# Altium PCB LimeSDR_Mini_1v0_Rounded.PcbDoc (part 3 of 5)
Units mm, origin at the board's own origin, x right, y up, seen from the top; angles counter-clockwise.
Board outline 69 x 52 mm, 8 copper layers (Top, L2, L3, L4, L5, L6, L7, Bottom), stack 1.555 mm thick; 371 components, 281 nets, 1636 pads, 782 vias.
Unrouted connection lines stored in the file: 12.
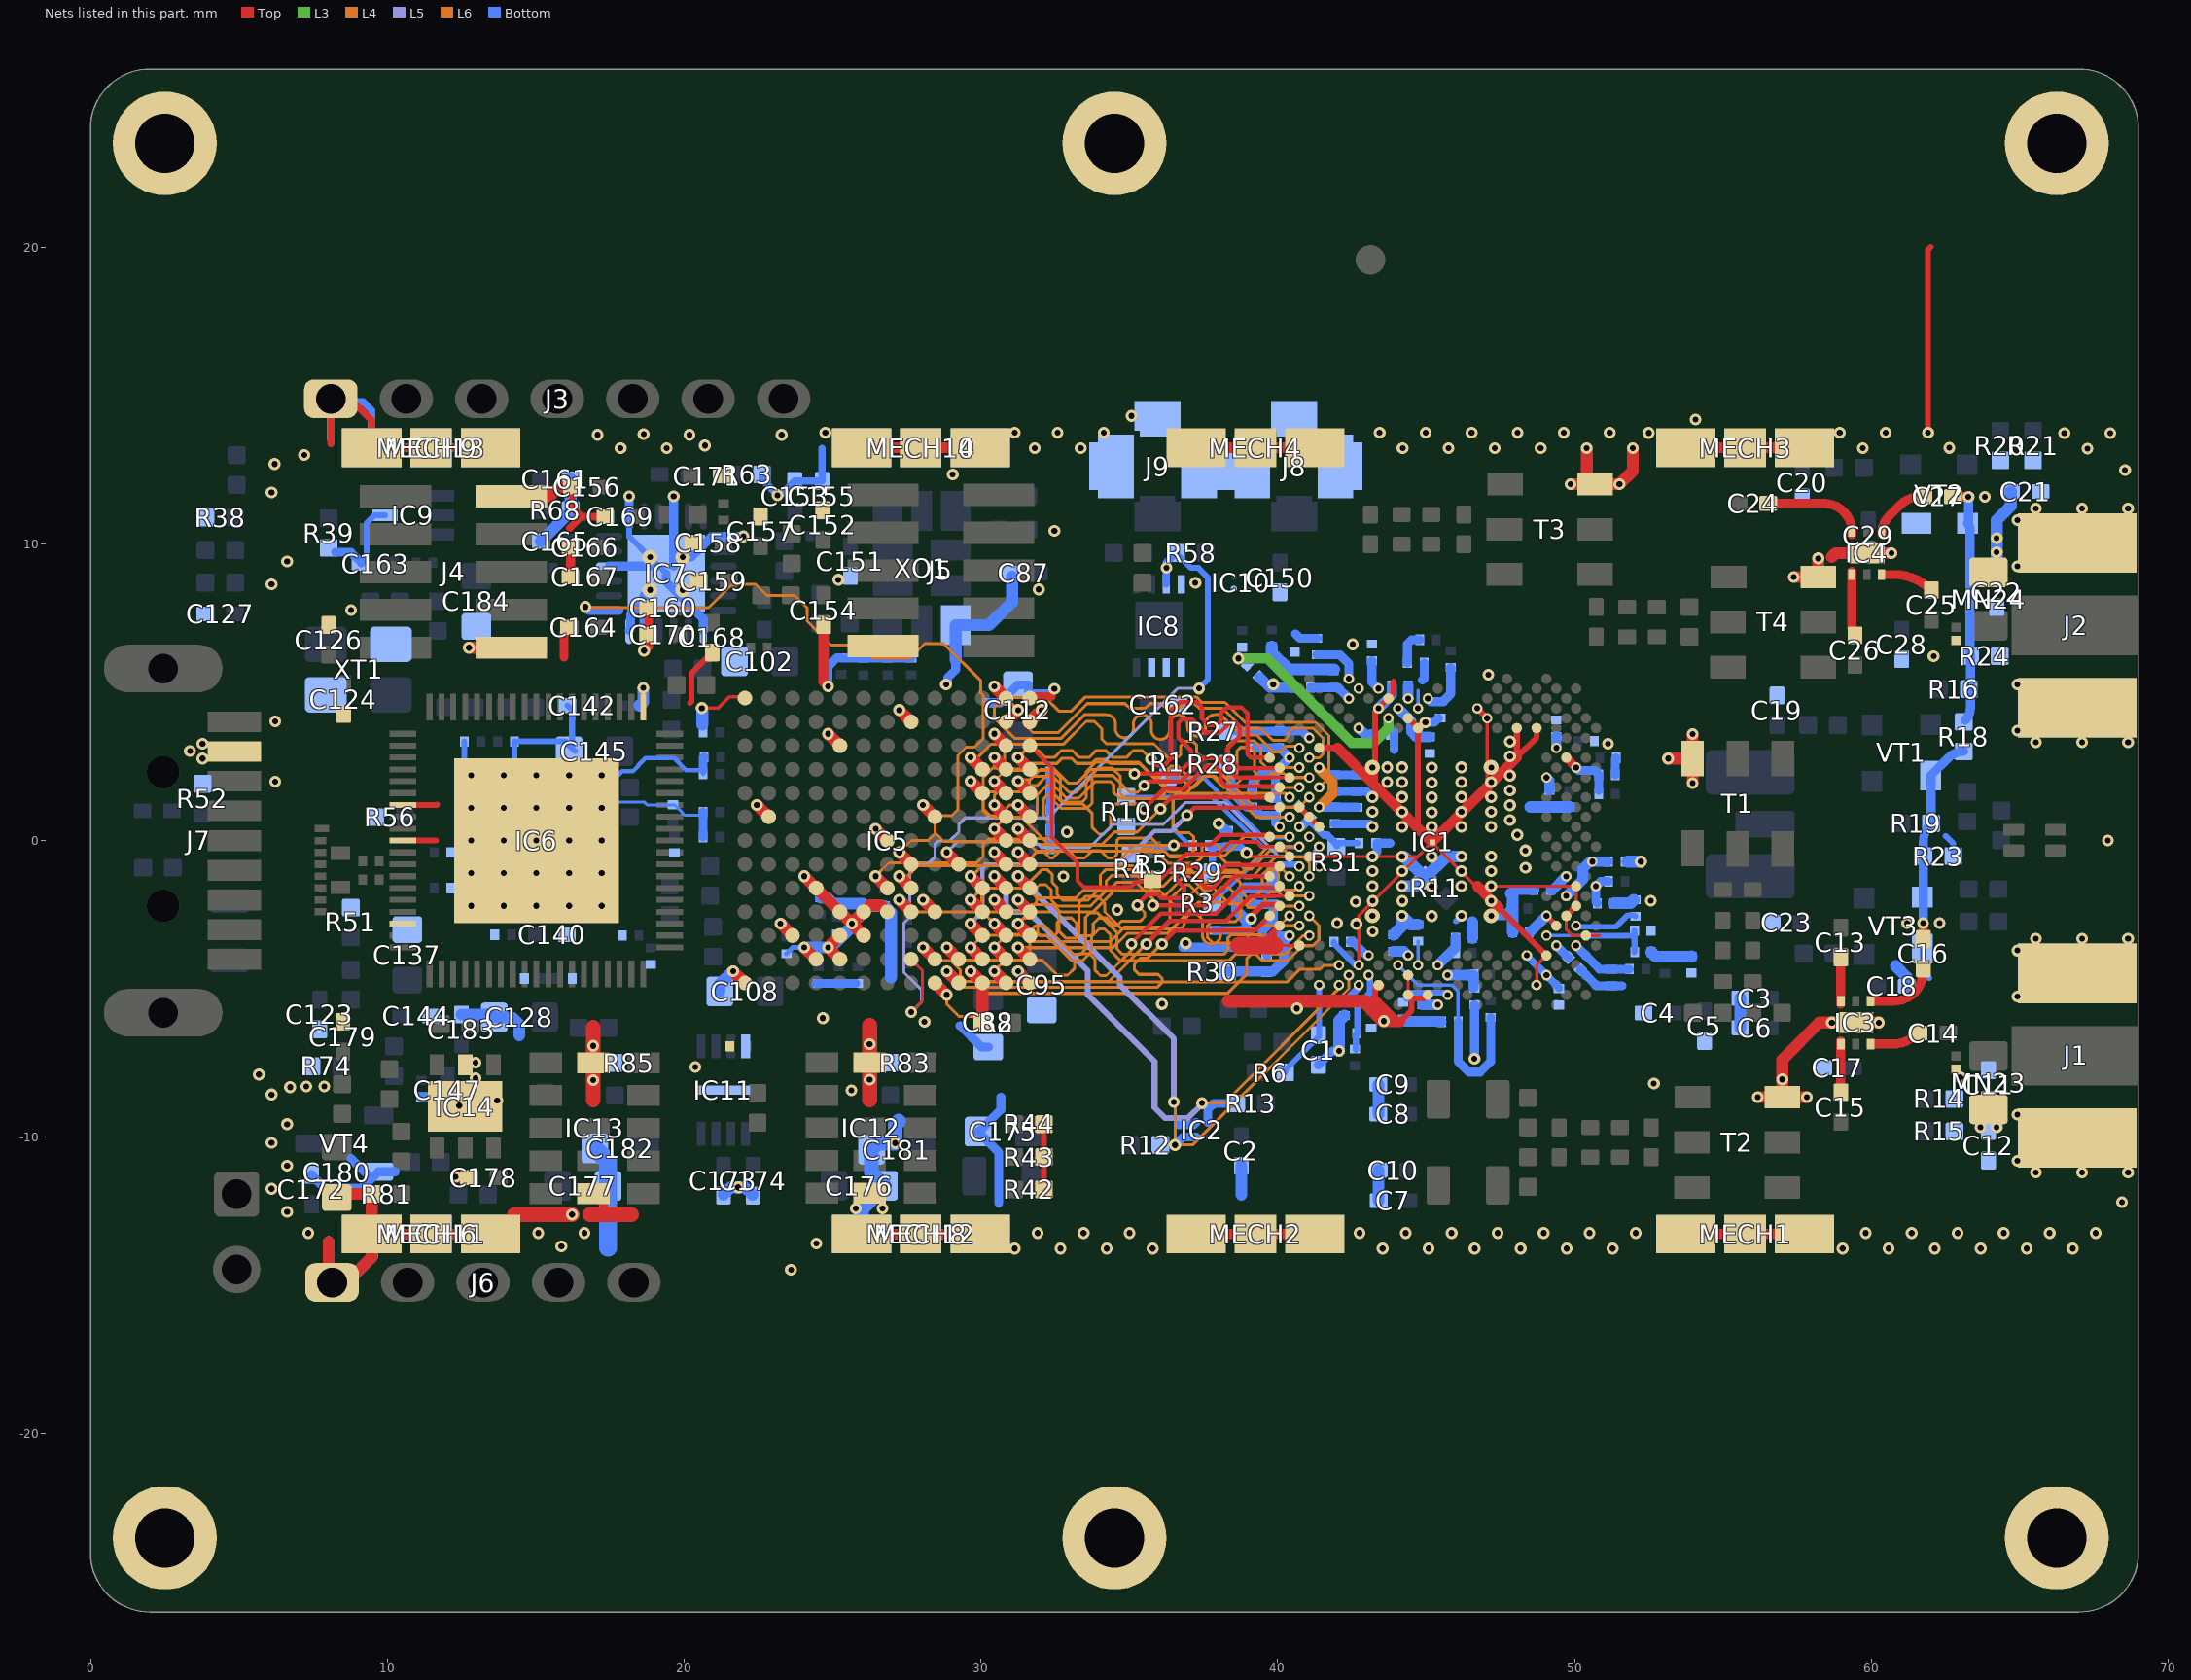
[diagram p9: the nets of this part, all layers, seen from the top]

## Via types
v1: diameter 0.4, hole 0.2, Top to Bottom, tented both sides, 548 vias
v2: diameter 0.4, hole 0.2, Top to Bottom, tented top, 113 vias
v3: diameter 0.35, hole 0.2, Top to Bottom, tented top, 87 vias
v4: diameter 0.5, hole 0.2, Top to Bottom, 25 vias
v5: diameter 0.5, hole 0.2, Top to Bottom, tented both sides, 8 vias
v6: diameter 0.35, hole 0.2, Top to Bottom, tented both sides, 1 vias

## Nets (pads, with @x,y where several pads share a name; then routed paths per layer and width w, separated by ;. In a path a pad name is that pad's centre, name@x,y a point inside that pad or via, vN(x,y) a via of type N, cw(c..) or ccw(c..) an arc to the next point about the centre after c; other vN are vias at no path point) (continued)
GND: C1.2 C2.2 C3.2 C4.1 C5.2 C6.1 C7.2 C8.2 C9.1 C10.1 C11.1 C12.2 C17.1 C18.1 C19.2 C20.2 C21.1 C22.2 C23.2 C28.1 C29.1 C30.2 C31.2 C32.2 C33.2 C34.2 C35.2 C36.2 C37.2 C38.2 C39.2 C40.2 C41.2 C42.2 C43.2 C44.2 C45.2 C46.2 C47.2 C48.2 C49.2 C50.2 C51.2 C52.2 C53.2 C54.2 C55.2 C56.2 C57.2 C58.1 C59.2 C60.2 C61.2 C62.2 C63.2 C64.2 C65.2 C66.2 C67.2 C68.2 C69.2 C70.1 C71.2 C72.2 C73.2 C74.2 C75.2 C76.2 C77.1 C78.2 C79.1 C80.2 C81.2 C82.2 C83.2 C84.2 C85.2 C86.2 C87.1 C88.1 C89.2 C90.2 C91.2 C92.2 C93.2 C94.2 C95.1 C96.2 C97.2 C98.2 C99.2 C100.2 C101.2 C102.1 C103.2 C104.2 C105.2 C106.2 C107.2 C108.1 C109.2 C110.2 C111.2 C112.1 C113.2 C114.2 C115.2 C116.2 C117.2 C118.2 C119.2 C120.2 C123.2 C124.2 C126.2 C127.2 C128.1 C129.1 C130.2 C131.1 C132.2 C133.1 C134.2 C135.1 C136.2 C137.1 C138.1 C139.2 C140.2 C141.2 C142.2 C143.2 C144.2 C145.1 C146.1 C147.2 C150.2 C151.1 C152.1 C153.1 C154.1 C155.1 C156.1 C157.1 C158.1 C159.1 C160.1 C161.1 C162.2 C163.2 C164.1 C165.1 C166.1 C167.1 C168.1 C169.1 C170.1 C171.1 C172.2 C173.1 C174.2 C175.1 C176.1 C177.1 C178.1 C179.1 C180.1 C181.1 C182.1 C183.1 C184.1 ESD1.2 ESD2.2 IC1.AA31 IC1.AF32 IC1.AG29 IC1.AJ7 IC1.AJ9 IC1.AJ19 IC1.AK12 IC1.AK20 IC1.AL13 IC1.AL23 IC1.AM22 IC1.AN25 IC1.B18 IC1.B20 IC1.C7 IC1.C23 IC1.D20 IC1.E25 IC1.F6 IC1.G31 IC1.GND IC1.H2 IC1.J33 IC1.K4 IC1.L3 IC1.N3 IC1.T30 IC1.V30 IC1.W29 IC1.Y30 IC2.B2 IC3.PAD IC4.PAD IC5.A1 IC5.A13 IC5.B8 IC5.C3 IC5.D2 IC5.D5 IC5.E2 IC5.E3 IC5.E4 IC5.E11 IC5.F3 IC5.F4 IC5.G4 IC5.G7 IC5.H12 IC5.J4 IC5.L9 IC5.M6 IC5.N1 IC5.N13 IC6.1 IC6.26 IC6.29 IC6.36 IC6.77 IC7.1 IC7.7 IC7.11 IC7.12 IC7.16 IC7.19 IC7.22 IC7.25 IC8.4 IC8.5 IC8.6 IC8.7 IC9.5 IC10.B2 IC11.4 IC11.PAD IC12.6 IC12.12 IC13.6 IC13.12 IC14.2 IC14.PAD J1.2 J2.2 J3.1 J4.2 J4.10 J5.9 J6.1 J7.4 J8.2 J9.2 MECH1.1 MECH2.1 MECH3.1 MECH4.1 MECH6.1 MECH8.1 MECH9.1 MECH10.1 MECH11.1 MECH12.1 MECH13.1 MECH14.1 NT1.2 pad.2 R10.2 R11.2 R23.1 R24.1 R38.1 R39.2 R42.1 R43.1 R44.1 R51.1 R52.1 R56.1 R63.1 R68.2 R74.1 R81.2 R83.1 R85.1 T1.3 T2.3 T3.3 T4.3 VT2.1 VT3.1 VT4.S XO1.4 XT1.2 XT1.4 | length 323.5
  Top w0.11: 39.926,-3.009 39.926,-3.283 40.179,-3.536 IC1.G31@40.731,-3.536 ; IC1.T30@41.064,-0.539 44.711,-0.539 ; v3(42.729,-4.202) 42.729,-2.521 44.204,-1.046 44.711,-0.539 ; IC1.B20@44.394,-5.201 IC1.D20@44.394,-4.535 ; 47.058,1.808 v3(47.058,4.123) ; v3(48.723,-4.868) 48.723,-4.202 IC1.F6@49.056,-3.869 ; IC1.K4@49.722,-2.537 49.722,-3.004 49.924,-3.206 50.385,-3.206 IC1.H2@50.388,-3.203 50.849,-3.203 ; IC1.L3@50.052,-2.204 IC1.N3@50.052,-1.638 ; IC1.N3@50.055,-1.538 46.725,-1.538 46.68,-1.538 45.196,-0.054 44.711,-0.539
  Top w0.12: v1(20.6,4.465) 21.15,4.465 21.528,4.843 IC5.A13@22.007,4.843
  Top w0.2: IC6.29@10.525,0 11.64,0 ; IC6.26@10.525,1.2 11.66,1.2 11.675,1.215 ; IC6.1@18.625,4.5 v1(18.625,5.15) ; 20.2,4.64 20.25,4.69 20.25,5.64 C168.1@20.95,6.34 ; R42.1@32.125,-11.76 R44.1@32.125,-9.56 ; 39.476,-3.459 39.926,-3.009 IC1.J33@40.065,-2.87 ; IC1.AA31@40.731,1.126 IC1.Y30@41.064,0.793 IC1.W29@41.397,0.46 ; IC1.AG29@41.397,3.124 42.018,3.124 ; 43.278,-5.387 43.278,-5.015 IC1.C23@43.41,-4.883 ; 43.278,1.864 43.278,4.339 v3(43.395,4.456) IC1.AM22@43.845,4.906 ; IC1.AM22@43.728,4.789 43.9,4.961 43.9,5.365 ; 44.124,-6.107 44.511,-5.72 IC1.B20@44.511,-5.318 ; IC1.B20@44.394,-5.201 IC1.B20@44.511,-5.318 ; IC1.AK20@44.394,4.123 IC1.AJ19@44.727,3.79 44.727,0.415 ; IC1.B18@45.06,-5.201 44.943,-5.318 IC1.B20@44.511,-5.318 ; v3(46.725,4.456) v3(47.058,4.123) ; 47.456,-2.269 IC1.F6@49.056,-3.869 ; IC1.AJ9@48.057,3.79 48.057,2.807 48.723,3.473 IC1.AJ7@48.723,3.79 ; IC1.K4@49.722,-2.537 IC1.L3@50.055,-2.204 ; v1(61.915,13.75) 61.915,19.915 62,20
  Top w0.25: 8.096,13.386 8.096,14.79 8.85,14.79 9.475,14.165 MECH9.1@9.475,13.24 MECH9.1@11.475,13.24 MECH9.1@13.475,13.24 ; 16.15,10.525 16.54,10.915 ; C156.1@16.225,11.915 16.225,11.23 16.54,10.915 ; C169.1@17.35,10.915 16.54,10.915
  Top w0.3: 15.95,6.19 15.95,7.015 C164.1@16.125,7.19 ; C167.1@16.175,8.89 C166.1@16.175,9.715 ; IC13.6@16.939,-11.895 17.3,-12.256 17.3,-12.605 ; v1(18.65,6.4) 18.8,6.55 C160.1@18.8,7.84 ; IC5.N13@31.65,4.85 32.375,4.85
  Top w0.35: MECH6.1@9.475,-13.26 MECH6.1@11.475,-13.26 MECH6.1@13.475,-13.26 ; 24.7,5.35 C154.1@24.7,7.265 ; MECH8.1@25.975,-13.26 MECH8.1@27.975,-13.26 MECH8.1@29.975,-13.26 ; MECH10.1@25.975,13.24 MECH10.1@27.975,13.24 MECH10.1@29.975,13.24 ; MECH2.1@37.25,-13.26 MECH2.1@39.25,-13.26 MECH2.1@41.25,-13.26 ; MECH4.1@37.25,13.24 MECH4.1@39.25,13.24 MECH4.1@41.25,13.24 ; 42.018,3.124 43.278,1.864 44.727,0.415 45.196,-0.054 47.058,1.808 47.204,1.954 48.057,2.807 ; 42.925,-5.414 42.925,-5.507 43.525,-6.107 44.124,-6.107 ; 43.278,-5.387 43.761,-5.871 43.875,-5.984 ; IC1.C23@43.395,-4.868 IC1.C23@43.41,-4.883 ; 46.725,-1.538 46.956,-1.769 47.206,-2.019 47.456,-2.269 ; MECH1.1@53.75,-13.26 MECH1.1@55.75,-13.26 MECH1.1@57.75,-13.26 ; MECH3.1@53.75,13.24 MECH3.1@55.75,13.24 MECH3.1@57.75,13.24
  Top w0.4: 8.025,-13.535 8.025,-14.776 J6.1@8.139,-14.89 8.62,-14.89 9.475,-14.035 MECH6.1@9.475,-13.26 R81.2@9.475,-11.91 C180.1@8.425,-11.91 ; v1(12.3,-11.335) 12.725,-11.335 C178.1@12.75,-11.36 ; v1(12.75,6.5) J4.10@14.175,6.5 ; J4.2@14.175,11.6 15.46,11.6 15.775,11.915 C156.1@16.225,11.915 ; v1(21.65,-4.4) IC5.A1@22.05,-4.8 ; v1(22.45,1.2) IC5.B8@22.85,0.8 ; v1(23.25,-2.8) IC5.C3@23.65,-3.2 ; v1(24.05,-3.6) IC5.D2@24.45,-4 ; v1(24.05,-1.2) IC5.D5@24.45,-1.6 IC5.E4@25.25,-2.4 v1(25.65,-2.8) ; v1(24.85,3.6) IC5.E11@25.25,3.2 ; IC5.E2@25.25,-4 v1(24.85,-3.6) IC5.E3@25.25,-3.2 ; IC5.F3@26.05,-3.2 v1(25.65,-2.8) ; v1(26.45,0.4) IC5.G7@26.85,0 ; IC5.G4@26.85,-2.4 26.635,-2.185 26.265,-2.185 IC5.F4@26.05,-2.4 v1(25.65,-2.8) ; v1(27.25,4.4) IC5.H12@27.65,4 ; v1(28.05,-2) IC5.J4@28.45,-2.4 ; v1(29.65,2) IC5.L9@30.05,1.6 ; v1(30.45,-0.4) IC5.M6@30.85,-0.8 ; v1(31.25,-4.4) IC5.N1@31.65,-4.8 ; v1(49.865,12.01) T3.3@50.69,12.01 v1(51.515,12.01) 51.96,12.455 v1(51.96,13.225) ; T3.3@50.415,12.01 v1@50.415,13.225 ; v1(53.155,2.765) T1.3@53.98,2.765 ; v1(53.98,1.94) T1.3@53.98,2.765 ; v1(53.98,3.59) T1.3@53.98,2.765 ; MECH3.1@55.6,13.09 MECH3.1@55.75,13.24 ; v1(56.175,-8.65) T2.3@57,-8.65 ; v1(57.39,8.885) T4.3@58.215,8.885 v1(58.215,9.51) ; v1(57.825,-8.65) T2.3@57,-8.65 ; 58.662,9.553 58.8,9.69 v1(60.675,9.69) ; IC3.PAD@59.425,-6.135 v1(58.675,-6.135) 58.25,-6.135 57,-7.385 v1(57,-8.05) T2.3@57,-8.65 ; IC3.PAD@59.5,-6.135 v1(60.25,-6.135)
  Top w0.45: 38.346,-5.414 40.65,-5.414 42.925,-5.414
  Top w0.5: 14.28,-12.605 v1(16.225,-12.605) ; 16.825,-12.605 17.3,-12.605 18.22,-12.605 ; 16.939,-8.746 v1(16.939,-8.071) IC13.12@16.939,-7.495 v1(16.939,-6.919) 16.939,-6.296 ; 26.25,-8.735 v1(26.25,-8.061) IC12.12@26.25,-7.485 26.25,-6.235
  Top w0.6: 38.7,-3.535 39.9,-3.535
  Bottom w0.1: v4(17.225,1.1) 17.59,1.465 ; 17.5,1.29 18.665,1.29 18.75,1.205 C134.2@19.625,1.205 19.675,1.205 19.825,1.055 20.03,0.85 20.645,0.85 C120.2@20.645,0.965
  Bottom w0.11: C37.2@39.926,1.416 39.974,1.416 40.261,1.129 40.703,1.129 C31.2@40.703,1.159
  Bottom w0.15: 17.375,1.965 17.538,1.965 17.913,2.34 18.282,2.34 18.45,2.508 18.45,2.53 18.695,2.775 19.665,2.775 20.065,2.375 20.645,2.375 C104.2@20.645,2.24 ; 36.579,0.294 C36.2@37.032,-0.159
  Bottom w0.17: C99.2@23.45,-3.815 23.665,-3.6 v1(24.05,-3.6)
  Bottom w0.2: C163.2@9.125,9.365 9.3,9.54 9.3,10.69 9.575,10.965 IC9.5@9.925,10.965 ; C132.2@12.595,3.34 12.595,2.045 12.65,1.99 ; 14.28,2.47 C130.2@14.28,3.34 16,3.34 C145.1@16.225,3.115 ; C142.2@16.075,4.55 16.225,4.4 C145.1@16.225,3.115 ; C145.1@16.325,3.015 C145.1@16.225,3.115 ; IC7.19@18.15,10.925 18.15,10.25 v5(18.85,9.55) IC7.25@19.4,9 ; C56.2@41.896,-3.414 41.896,-3.484 42.614,-4.202 v3(42.729,-4.202) ; 46.006,-2.719 v1(46.191,-2.534) ; VT3.1@61.725,-3.635 61.725,-4.41 61.95,-4.635 ; 62.507,0.156 62.762,-0.099 R23.1@62.762,-0.523
  Bottom w0.25: 8.096,13.536 8.096,14.79 9.175,14.79 9.475,14.49 MECH13.1@9.475,13.24 MECH13.1@11.475,13.24 MECH13.1@13.475,13.24 ; R63.1@22.625,12.34 22.625,12.165 v1(23.15,11.64) 23.25,11.64 C153.1@23.725,12.115 C155.1@24.65,12.115 ; C155.1@24.65,12.133 24.65,13.215
  Bottom w0.3: C172.2@7.45,-11.26 7.45,-11.271 7.889,-11.71 9.15,-11.71 VT4.S@9.7,-11.16 10.26,-11.16 ; R39.2@8.25,9.715 8.775,9.715 C163.2@9.125,9.365 ; 8.775,-10.71 VT4.S@9.325,-11.26 ; C146.1@11.15,-8.64 11.755,-8.64 C147.2@12.025,-8.91 ; IC7.16@17.475,9.25 IC7.25@18.85,9.25 ; IC7.12@18.15,7.075 18.2,7.125 18.2,7.615 IC7.25@18.65,8.065 ; IC7.19@18.15,10.925 v1(18.15,11.6) ; v1(18.65,6.4) IC7.11@18.65,7.075 IC7.25@18.65,8.25 ; IC7.25@19.4,9 19.4,8.716 20.65,7.466 IC7.7@20.65,7.075 ; IC7.25@19.65,9.25 IC7.22@19.65,10.925 v1(19.65,11.6) ; v5(19.95,9.55) 20.234,9.55 20.934,10.25 IC7.1@21.325,10.25 v1(22,10.25) ; C116.2@20.645,0.115 C120.2@20.645,0.965 ; C104.2@20.645,2.375 20.645,2.79 C105.2@20.67,2.815 ; C110.2@24.45,-4.815 C111.2@25.775,-4.815 ; v1(24.85,5.2) 24.85,5.865 25.151,6.166 C117.2@25.295,6.166 ; C117.2@25.27,6.141 C118.2@26.04,6.141 C114.2@26.86,6.141 27.646,6.141 C107.2@27.65,6.145 ; v1(28.825,5.265) 28.875,5.315 28.875,5.486 29.15,5.761 29.15,6.09 ; 29.3,-6.235 30.025,-6.96 C88.1@30.25,-6.96 ; C103.2@30.275,4.645 30.645,4.645 C112.1@31.25,5.25 31.6,5.25 31.6,4.94 32.236,4.94 ; 30.6,-12.21 30.6,-10.51 C175.1@29.9,-9.81 29.936,-9.81 30.675,-9.071 30.675,-8.651 ; C100.2@32.33,2.315 32.335,2.31 C91.2@32.335,-0.285 ; 36.675,-9.585 37.16,-9.585 IC2.B2@37.249,-9.496 ; v1@36.79,-3.594 38.151,-3.594 C61.2@38.926,-3.594 39.33,-3.594 39.426,-3.497 ; C62.2@39.094,-2.151 C63.2@39.806,-2.151 ; C38.2@39.151,1.691 39.151,1.961 39.509,2.319 39.926,2.319 ; C39.2@39.251,3.131 40.058,3.131 v3(40.398,2.791) 39.926,2.319 ; C33.2@39.646,-3.889 39.646,-3.717 39.426,-3.497 ; C63.2@39.851,-2.151 39.851,-2.684 39.49,-3.045 C34.2@39.49,-3.244 39.49,-3.433 39.426,-3.497 ; C37.2@39.926,1.416 39.926,2.319 ; 40.6,6.965 40.749,6.816 C72.2@41.326,6.816 ; C1.2@41.375,-7.56 41.846,-7.089 v1(42.071,-7.089) ; C64.2@41.901,0.556 43.101,0.556 v1(43.191,0.466) ; C53.2@41.901,1.656 43.001,1.656 v1(43.191,1.466) ; v1(43.191,-0.534) 43.351,-0.374 43.351,-0.089 43.781,-0.089 ; 43.921,3.066 C71.2@43.921,3.661 ; C75.2@44.371,5.986 44.371,6.625 44.514,6.768 C86.2@44.791,6.768 ; v1(44.976,3.986) 45.281,3.986 C46.2@45.426,4.131 ; v1(46.63,-7.355) C43.2@46.63,-5.54 ; v5(47.191,-2.534) 47.626,-2.534 C81.2@47.871,-2.289 ; C80.2@50.199,-4.346 50.747,-4.894 51.596,-4.894 ; C47.2@51.38,2.215 51.38,2.765 C84.2@51.405,2.79
  Bottom w0.35: MECH11.1@9.475,-13.26 MECH11.1@11.475,-13.26 MECH11.1@13.225,-13.26 ; MECH12.1@25.975,-13.26 MECH12.1@27.975,-13.26 MECH12.1@29.975,-13.26 ; MECH14.1@25.975,13.24 MECH14.1@27.975,13.24 MECH14.1@29.975,13.24 ; v1(38.015,0.568) 38.282,0.3 C35.2@38.325,0.3 ; C45.2@39.399,5.488 39.731,5.156 C49.2@40.501,5.156 ; v3(43.395,4.456) 43.845,4.905 C74.2@43.845,5.186 ; C68.2@44.225,-6.015 44.3,-6.09 C55.2@44.875,-6.09 45.5,-6.09 C42.2@45.52,-6.11 ; 47.85,-1.785 47.975,-1.66 C66.2@48.64,-1.66
  Bottom w0.4: 8.025,-13.535 8.025,-14.776 J6.1@8.139,-14.89 8.62,-14.89 9.475,-14.035 MECH11.1@9.475,-13.26 ; C183.1@12.5,-5.86 13.5,-5.86 C128.1@13.6,-5.96 14.2,-5.96 14.45,-6.21 14.45,-6.56 ; C165.1@15.175,10.09 16.175,11.09 R68.2@16.175,11.14 C161.1@16.175,12.19 ; C139.2@18.505,4.55 18.625,4.67 v1(18.625,5.15) ; v1(20.6,4.465) 20.615,4.45 20.615,3.9 ; C108.1@21.2,-5.085 21.2,-4.85 v1(21.65,-4.4) ; C173.1@21.325,-11.935 21.575,-11.685 22.05,-11.685 C174.2@22.3,-11.935 ; v1(24.05,-3.6) v1(24.85,-3.6) 24.943,-3.6 25.65,-2.893 v1(25.65,-2.8) 26.243,-2.207 26.75,-2.207 26.97,-2.427 26.97,-4.61 ; C98.2@24.6,-1.93 24.826,-1.93 25.026,-2.13 26.025,-2.13 C115.2@26.025,-2.165 ; 29.15,6.09 XO1.4@29.15,7.265 30.275,7.265 31.05,8.04 C87.1@31.05,8.888 ; 38.775,-11.935 C2.2@38.775,-10.96 ; v1(42.071,-7.089) 42.071,-6.074 C57.2@42.251,-5.894 ; C8.2@43.392,-9.218 C9.1@43.392,-8.218 ; C7.2@43.4,-12.135 C10.1@43.4,-11.11 ; C70.1@43.9,-3.175 44.191,-2.884 v1(44.191,-2.534) 44.486,-2.829 C69.2@44.727,-2.829 ; v1(44.191,-1.534) 44.691,-1.534 R11.2@44.971,-1.254 ; v1(44.191,-0.534) 44.252,-0.534 R11.2@44.971,-1.254 ; v1(46.191,-0.534) 45.691,-0.534 R11.2@44.971,-1.254 ; C44.2@46.555,-3.285 46.555,-2.755 ; 47.85,-1.785 47.915,-1.85 C79.1@47.915,-3.085 ; 48.505,1.135 C77.1@49.15,1.135 C85.2@49.825,1.135 ; C48.2@51.331,-2.114 51.331,-2.107 51.89,-2.107 C78.2@52,-1.997 ; C58.1@51.785,-0.71 v1(52.235,-0.71) ; C6.1@55.585,-6.31 C3.2@55.585,-5.31 ; 60.825,-4.235 61.2,-4.61 C18.1@61.2,-4.91
  Bottom w0.5: MECH12.1@25.975,-13.26 25.975,-12.41 C176.1@26.75,-11.635 26.311,-11.196 C181.1@26.311,-10.42 26.536,-10.195 v1(27.111,-10.195) 27.111,-9.574 27.225,-9.46
  Bottom w0.6: C182.1@17,-10.38 17.439,-10.819 C177.1@17.439,-11.645 17.439,-13.726
  other v1: 23.6,-14.46 31.135,-13.75 32.685,-13.75 34.235,-13.75 35.785,-13.75 43.535,-13.75 45.085,-13.75 46.635,-13.75 48.185,-13.75 49.735,-13.75 51.285,-13.75 59.035,-13.75 60.585,-13.75 62.135,-13.75 63.685,-13.75 65.235,-13.75 66.785,-13.75 15.865,-13.675 24.46,-13.575 7.34,-13.225 15.09,-13.225 16.64,-13.225 31.91,-13.225 33.46,-13.225 35.01,-13.225 42.76,-13.225 44.31,-13.225 45.86,-13.225 47.41,-13.225 48.96,-13.225 50.51,-13.225 52.06,-13.225 59.81,-13.225 61.36,-13.225 62.91,-13.225 64.46,-13.225 66.01,-13.225 67.56,-13.225 6.625,-12.51 25.786,-12.395 26.686,-12.395 68.45,-12.185 6.1,-11.735 21.825,-11.685 65.55,-11.185 67.1,-11.185 68.65,-11.185 6.625,-10.96 64.925,-10.79 6.1,-10.185 6.625,-9.56 64.925,-9.24 12.425,-8.935 13.7,-8.76 6.1,-8.56 25.636,-8.42 6.725,-8.31 7.275,-8.285 7.875,-8.285 52.675,-8.185 12.975,-8.01 63,-7.985 5.675,-7.885 20.375,-7.635 12.975,-7.485 26.25,-6.86 28.1,-6.11 43.575,-6.082 24.675,-5.985 40.65,-5.657 36.1,-5.507 64.925,-5.255 64.925,-3.705 36.9,-3.46 65.55,-3.31 67.1,-3.31 68.65,-3.31 43.2,-3.06 42.65,-2.81 42,-2.785 61.2,-2.785 62.3,-2.785 45.191,-2.544 34.6,-2.335 42.625,-2.06 43.2,-2.035 44.2,-2.035 47.191,-2.034 52.575,-2.032 43.191,-1.534 45.191,-1.544 46.191,-1.534 47.191,-1.534 32.775,-1.21 43.191,-1.034 44.191,-1.034 46.191,-1.034 47.191,-1.034 48.35,-0.91 45.191,-0.544 47.191,-0.534 48.35,-0.335 67.975,0 48.075,0.19 32.9,0.29 45.191,0.456 44.191,0.466 46.191,0.466 47.191,0.466 47.825,0.69 45.191,0.956 43.191,0.966 44.191,0.966 46.191,0.966 47.191,0.966 47.825,1.19 44.191,1.466 45.191,1.456 46.191,1.466 47.191,1.466 47.825,1.69 43.691,1.966 44.191,1.966 45.191,1.956 46.191,1.966 47.191,1.966 6.225,1.985 47.825,2.19 45.191,2.456 43.691,2.466 44.191,2.466 46.191,2.466 3.775,2.765 47.826,2.836 3.35,3.015 3.775,3.265 51.125,3.265 65.55,3.315 67.1,3.315 68.65,3.315 47.826,3.336 64.925,3.71 6.225,4.015 32.475,5.115 39.85,5.268 64.925,5.26 47.1,5.59 62.1,6.215 42.525,6.615 8.775,7.765 31.95,8.465 6.1,8.635 37.225,8.69 25.2,8.79 64.925,9.245 6.625,9.41 32.475,10.44 64.925,10.795 65.55,11.19 67.1,11.19 68.65,11.19 63.825,11.59 6.1,11.735 29.05,12.34 68.55,12.49 6.2,12.69 7.2,12.99 17.86,13.225 19.41,13.225 31.81,13.225 33.36,13.225 44.21,13.225 45.76,13.225 47.31,13.225 48.86,13.225 50.41,13.225 59.71,13.225 67.28,13.21 62.63,13.235 20.7,13.315 17.085,13.675 20.185,13.675 23.285,13.675 18.635,13.7 52.5,13.74 66.505,13.735 68.055,13.735 24.76,13.75 31.135,13.75 32.585,13.75 34.135,13.75 43.435,13.75 44.985,13.75 46.535,13.75 48.085,13.75 49.635,13.75 51.185,13.75 58.935,13.75 60.485,13.75 54.075,14.19 35.075,14.315
  other v3: 41.064,0.127 42.729,5.122
  other v4: 12.825,-2.2 13.925,-2.2 15.025,-2.2 16.125,-2.2 17.225,-2.2 12.825,-1.1 13.925,-1.1 15.025,-1.1 16.125,-1.1 17.225,-1.1 12.825,0 13.925,0 15.025,0 16.125,0 17.225,0 12.825,1.1 13.925,1.1 15.025,1.1 16.125,1.1 12.825,2.2 13.925,2.2 15.025,2.2 16.125,2.2 17.225,2.2
  other v5: 43.191,-2.534 43.191,2.466 47.191,2.466 18.85,8.45 19.95,8.45
LM75_OS: IC5.H2 IC8.3 R58.1 | length 26.5
  Top w0.1: v1@27.624,-5.785 v1(27.65,-5.785) 28.035,-5.401 28.035,-4.385 IC5.H2@27.65,-4
  L5 w0.1: v1(27.65,-5.785) 28,-5.435 28,-5.035 27.4,-4.435 27.4,-2.785 27.6,-2.585 27.6,-1.035 27.825,-0.81 28.2,-0.81 28.45,-0.56 28.45,-0.135 28.575,-0.01 28.957,-0.01 29.262,0.295 29.262,0.552 29.475,0.765 32.265,0.765 36.625,5.125 v1(37.35,5.125)
  Bottom w0.2: R58.1@36.575,9.69 37.075,9.19 37.325,9.19 37.65,8.865 37.65,5.44 v1@37.343,5.132
  Bottom w0.25: IC8.3@36.25,8.64 36.25,9.365 R58.1@36.575,9.69
  other v1: 36.25,9.19
LMK_CLK: IC5.H6 IC7.13 | length 25.2
  Top w0.4: v2(27.25,-0.4) IC5.H6@27.65,-0.8
  L6 w0.1: v1@16.675,7.85 20.827,7.85 21.617,8.64 22.408,8.64 22.791,8.257 23.725,8.257 24.15,7.832 24.15,7.39 24.95,6.59 25.925,6.59 26.375,6.14 27.608,6.14 28.108,6.64 28.742,6.64 30,5.382 30,5.055 29.975,5.03 29.975,4.99 30.075,4.89 30.075,3.44 29.785,3.15 29.505,3.15 29.225,2.87 29.225,1.04 29.025,0.84 28.6,0.84 28.45,0.69 28.45,0.215 28.235,0 27.65,0 v2(27.25,-0.4)